# Allegro board 6089-119-RevB_08.brd (continued)
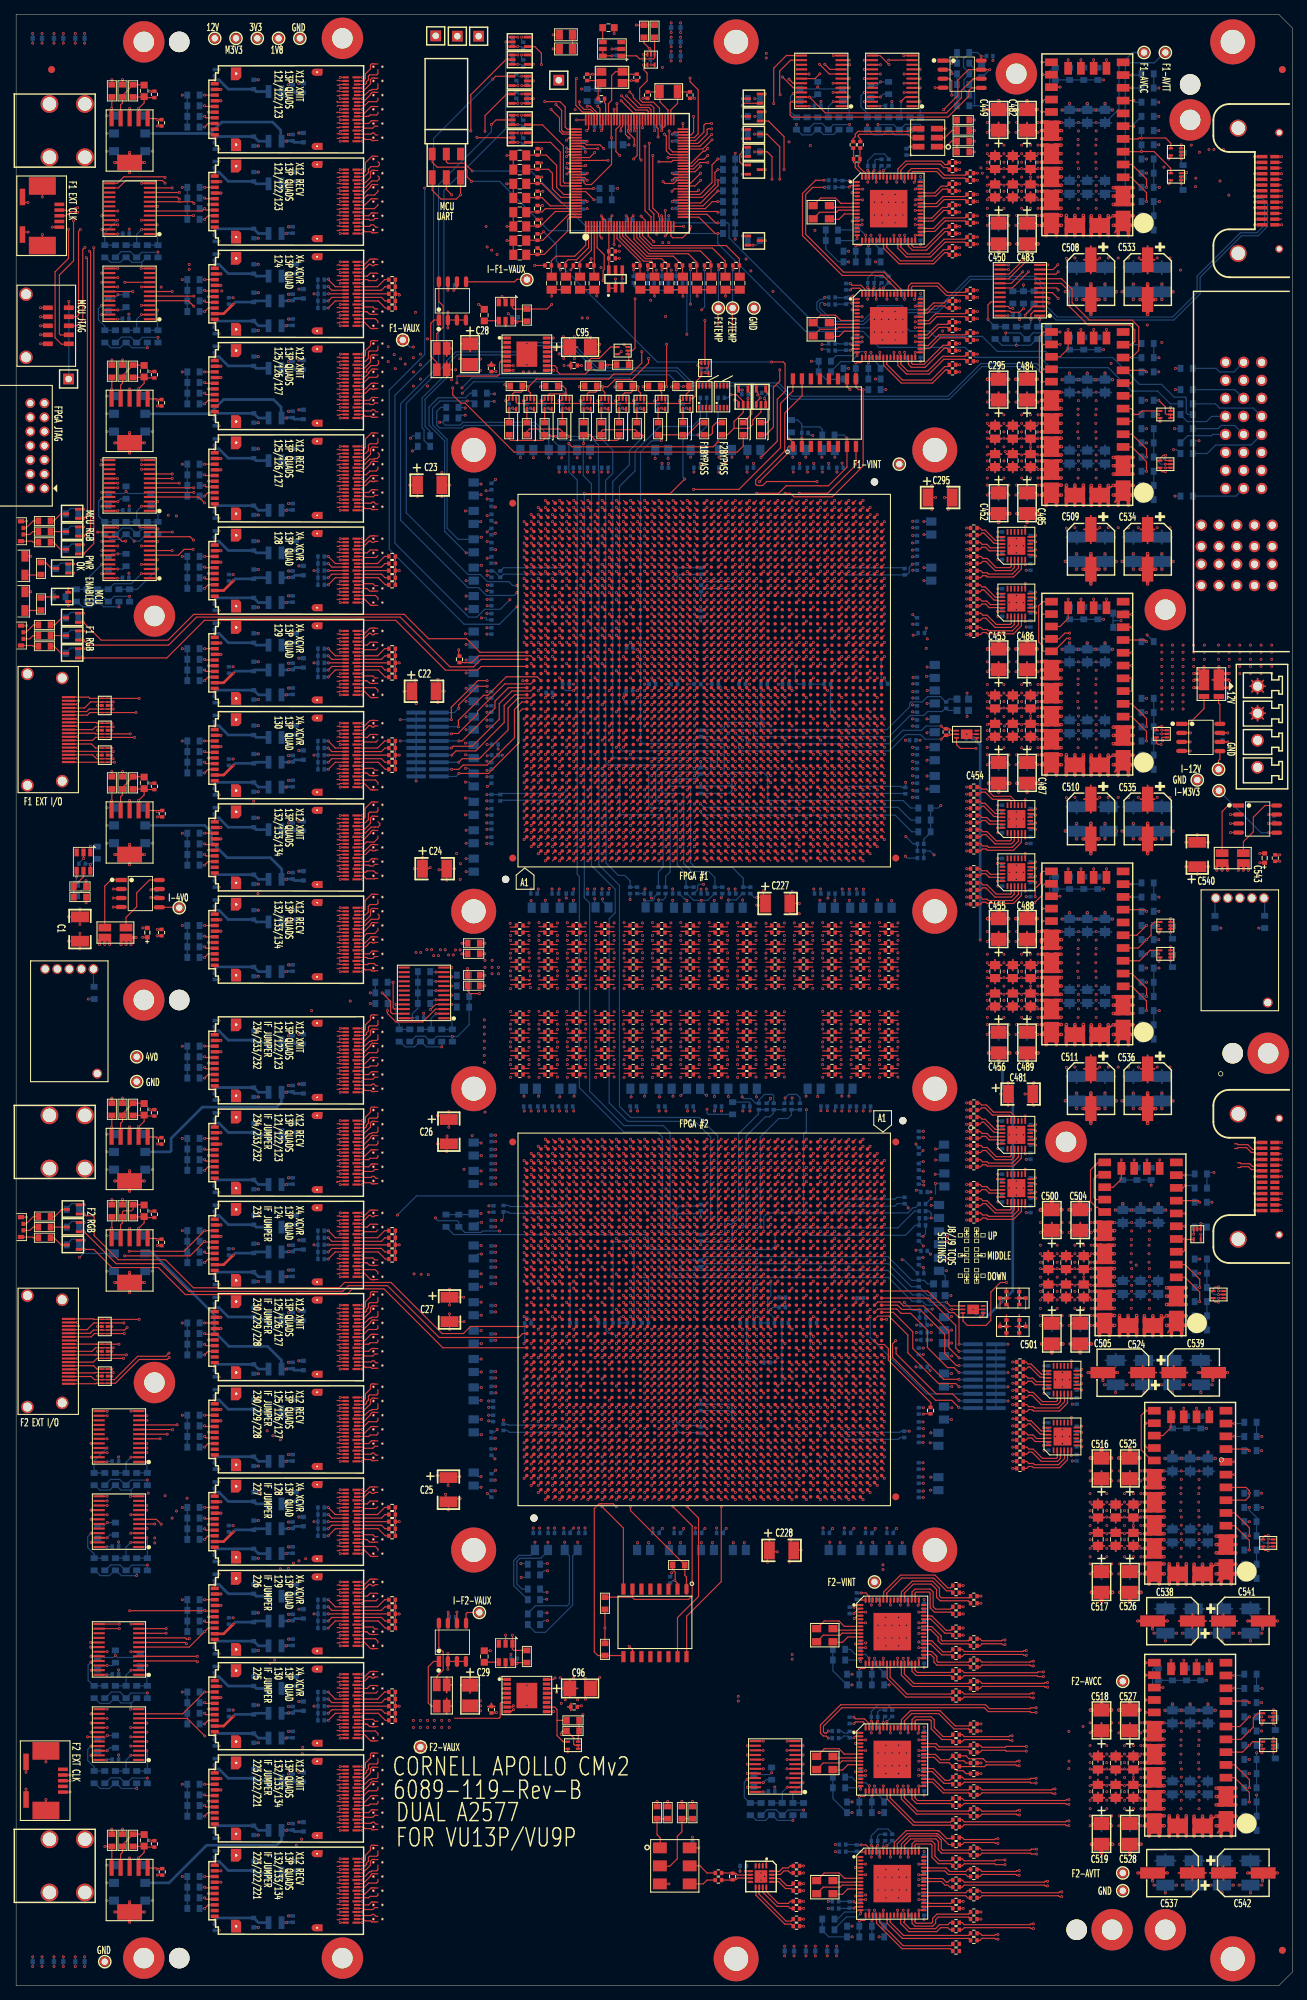
[diagram p0: board, top side]
## Routing (per net, layer and track width the routed paths; a pad name or vN(x,y) marks a point on that pad's centre or on a via; arc(x,y) is an arc through that point) (continued)
NF2_FF3_RECV7: length 99.8
  TOP w0.165: U43.B8 45.65,14.4 45.58,14.47 45.25,14.47 ; U77.E51 118.39,68.51
  SIG4 w0.083: 45.25,14.47 45.45,14.27 arc(45.48,14.25) 45.51,14.25 48.81,14.25 arc(49.07,14.3) 49.3,14.45 arc(49.41,14.52) 49.54,14.55 64.64,14.55 arc(65.62,14.74) 66.45,15.3 99.95,48.8 99.95,48.9 99.95,48.9 99.95,49 100.18,49.23 100.29,49.23 100.39,49.23 100.62,49.47 100.62,49.57 100.62,49.57 100.62,49.67 100.85,49.9 100.96,49.9 101.06,49.9 101.29,50.14 101.29,50.24 101.29,50.34 101.52,50.57 101.63,50.57 101.73,50.57 101.96,50.81 101.96,50.91 101.96,51.01 102.19,51.24 102.3,51.24 102.4,51.24 102.63,51.48 102.63,51.58 102.63,51.68 102.86,51.91 102.97,51.91 102.97,51.91 103.07,51.91 118.06,66.91 arc(118.59,67.72) 118.79,68.67 arc(118.73,68.83) 118.57,68.9 arc(118.55,68.91) 118.53,68.91 arc(118.49,68.91) 118.45,68.89 arc(118.4,68.82) 118.39,68.74 118.39,68.51
NF2_FF3_RECV8: length 96.3
  TOP w0.165: U77.F49 117.39,70.51 ; 51,17.78 50.57,17.78 50.54,17.81 50.19,17.81 49.95,17.57 49.95,17.23 49.95,17.23 49.95,16.99 48.86,15.9 U43.A5 48.05,15.9
  SIG3 w0.083: 117.39,70.51 117.39,70.82 arc(117.42,70.88) 117.47,70.9 117.56,70.9 arc(117.72,70.84) 117.79,70.67 117.79,68.46 arc(117.7,68.02) 117.46,67.65 68.9,19.09 arc(67.14,17.92) 65.06,17.5 60.75,17.5 60.61,17.65 60.28,17.65 60.13,17.5 59.8,17.5 59.65,17.65 59.32,17.65 59.18,17.5 58.85,17.5 58.7,17.65 58.37,17.65 58.23,17.5 57.9,17.5 57.75,17.65 57.42,17.65 57.28,17.5 56.95,17.5 56.8,17.65 56.47,17.65 56.33,17.5 52.17,17.5 arc(52.14,17.51) 52.11,17.53 52.11,17.54 arc(52.08,17.55) 52.05,17.56 52,17.56 51.88,17.68 arc(51.77,17.76) 51.64,17.78 51,17.78
NF2_FF3_RECV9: length 97.5
  TOP w0.165: 45.25,15.97 45.58,15.97 45.65,15.9 U43.B5 ; U77.G51 116.39,68.51
  SIG4 w0.083: 116.39,68.51 116.39,68.82 arc(116.42,68.88) 116.47,68.9 116.56,68.9 arc(116.72,68.84) 116.79,68.67 116.79,68.39 arc(116.53,67.09) 115.8,65.99 108,58.19 107.84,58.19 107.61,57.96 107.61,57.8 107.38,57.57 107.22,57.57 106.99,57.34 106.99,57.18 106.75,56.95 106.6,56.95 106.37,56.72 106.37,56.56 106.13,56.33 105.98,56.33 105.75,56.1 105.75,55.94 105.51,55.71 105.36,55.71 105.13,55.48 105.13,55.32 104.89,55.09 104.74,55.09 104.51,54.86 104.51,54.7 104.27,54.47 104.12,54.47 103.89,54.24 103.89,54.08 66.99,17.18 arc(66.23,16.68) 65.34,16.5 50.19,16.5 arc(49.74,16.41) 49.35,16.15 arc(48.9,15.85) 48.37,15.75 45.51,15.75 arc(45.48,15.75) 45.45,15.77 45.25,15.97
NF2_FF3_RECV10: length 94.4
  TOP w0.165: U43.A2 48.66,17.4 48.66,17.4 48.91,17.4 49.24,17.72 49.24,18.39 49.95,19.1 49.95,19.65 50.12,19.81 50.54,19.81 50.57,19.78 51,19.78 ; U77.H49 115.39,70.51
  SIG3 w0.083: 51,19.78 51.64,19.78 arc(51.77,19.76) 51.88,19.68 52,19.56 52.05,19.56 arc(52.08,19.55) 52.11,19.54 52.11,19.53 arc(52.14,19.51) 52.17,19.5 56.16,19.5 56.31,19.65 56.64,19.65 56.78,19.5 57.11,19.5 57.26,19.65 57.59,19.65 57.73,19.5 58.06,19.5 58.21,19.65 58.54,19.65 58.69,19.5 59.02,19.5 59.16,19.65 59.49,19.65 59.64,19.5 59.97,19.5 60.11,19.65 60.44,19.65 60.59,19.5 66.06,19.5 arc(67.68,19.83) 69.04,20.74 115.22,66.92 arc(115.64,67.55) 115.79,68.29 115.79,70.67 arc(115.72,70.84) 115.56,70.9 115.47,70.9 arc(115.42,70.88) 115.39,70.82 115.39,70.51
NF2_FF3_RECV11: length 95.1
  TOP w0.165: U77.J51 114.39,68.51 ; U43.B2 45.65,17.4 45.58,17.47 45.25,17.47
  SIG4 w0.083: 114.39,68.51 114.39,68.82 arc(114.42,68.88) 114.47,68.9 114.56,68.9 arc(114.72,68.84) 114.79,68.67 114.79,68.21 114.8,68.2 114.8,68.18 arc(114.53,66.81) 113.75,65.65 102.87,54.77 102.62,54.77 102.39,54.54 102.39,54.28 102.15,54.05 101.9,54.05 101.67,53.82 101.67,53.56 101.43,53.33 101.18,53.33 100.95,53.1 100.95,52.84 100.71,52.61 100.46,52.61 100.23,52.38 100.23,52.12 99.99,51.89 99.74,51.89 99.5,51.66 99.5,51.4 67.02,18.92 arc(66.45,18.53) 65.77,18.4 51.8,18.4 50.69,18.4 arc(50.1,18.28) 49.6,17.95 arc(48.82,17.43) 47.9,17.25 45.51,17.25 arc(45.48,17.25) 45.45,17.27 45.25,17.47
NF2_FF3_XMIT0: length 120.6
  TOP w0.165: U42.B17 45.65,22.9 45.58,22.97 45.25,22.97 ; U77.C38 120.39,81.51
  SIG1 w0.083: 45.25,22.97 45.45,22.77 arc(45.48,22.75) 45.51,22.75 48.35,22.75 arc(49,22.62) 49.55,22.25 49.68,22.12 arc(50.31,21.7) 51.05,21.55 59.17,21.55 59.32,21.7 59.65,21.7 59.8,21.55 60.13,21.55 60.28,21.7 60.61,21.7 60.76,21.55 61.09,21.55 61.24,21.7 61.57,21.7 61.72,21.55 62.05,21.55 62.2,21.7 62.53,21.7 62.68,21.55 63.01,21.55 63.16,21.7 63.49,21.7 63.64,21.55 63.97,21.55 64.12,21.7 64.45,21.7 64.6,21.55 79.28,21.55 arc(80.27,21.75) 81.11,22.31 124.05,65.24 arc(124.97,66.62) 125.29,68.25 125.29,78.94 arc(125.13,79.75) 124.68,80.43 123.61,81.49 arc(123.16,81.8) 122.62,81.9 120.47,81.9 arc(120.42,81.88) 120.39,81.82 120.39,81.51
NF2_FF3_XMIT1: length 111.2
  TOP w0.165: 51,22.78 50.72,22.78 50.44,23.06 50.21,23.06 50.05,22.9 U42.A17 ; U77.A38 122.39,81.51
  SIG2 w0.083: 122.39,81.51 122.39,81.64 arc(122.48,81.86) 122.7,81.95 123.44,81.95 arc(123.72,81.83) 123.84,81.55 123.84,68.91 arc(123.68,68.1) 123.23,67.42 80.08,24.28 arc(78.12,22.97) 75.8,22.5 61.76,22.5 61.61,22.65 61.28,22.65 61.14,22.5 60.81,22.5 60.66,22.65 60.33,22.65 60.19,22.5 59.86,22.5 59.71,22.65 59.38,22.65 59.24,22.5 58.91,22.5 58.76,22.65 58.43,22.65 58.29,22.5 57.96,22.5 57.81,22.65 57.48,22.65 57.34,22.5 52.17,22.5 arc(52.14,22.51) 52.11,22.53 52.11,22.54 arc(52.08,22.55) 52.05,22.56 52,22.56 51.88,22.68 arc(51.77,22.76) 51.64,22.78 51,22.78
NF2_FF3_XMIT2: length 114.8
  TOP w0.165: 45.25,24.47 45.58,24.47 45.65,24.4 U42.B14 ; U77.B40 121.39,79.51
  SIG1 w0.083: 121.39,79.51 121.39,79.82 arc(121.42,79.88) 121.47,79.9 122.32,79.9 arc(122.86,79.8) 123.31,79.49 123.51,79.29 arc(124.09,78.43) 124.29,77.41 124.29,68.55 arc(124,67.11) 123.18,65.88 81.47,24.16 arc(80.73,23.67) 79.87,23.5 64.36,23.5 64.21,23.65 63.88,23.65 63.73,23.5 63.4,23.5 63.25,23.65 62.92,23.65 62.77,23.5 62.44,23.5 62.29,23.65 61.96,23.65 61.81,23.5 61.48,23.5 61.33,23.65 61,23.65 60.85,23.5 60.52,23.5 60.37,23.65 60.04,23.65 59.89,23.5 59.56,23.5 59.41,23.65 59.08,23.65 58.93,23.5 50.39,23.5 arc(49.8,23.62) 49.3,23.95 arc(48.97,24.17) 48.59,24.25 45.51,24.25 arc(45.48,24.25) 45.45,24.27 45.25,24.47
NF2_FF3_XMIT3: length 104.2
  TOP w0.165: U77.A42 122.39,77.51 ; 51,24.78 50.57,24.78 50.54,24.81 50.19,24.81 50.16,24.78 50.08,24.78 49.7,24.4 U42.A14
  SIG2 w0.083: 51,24.78 51.64,24.78 arc(51.77,24.76) 51.88,24.68 52,24.56 52.05,24.56 arc(52.08,24.55) 52.11,24.54 52.11,24.53 arc(52.14,24.51) 52.17,24.5 57.2,24.5 57.34,24.65 57.67,24.65 57.82,24.5 58.15,24.5 58.29,24.65 58.62,24.65 58.77,24.5 59.1,24.5 59.24,24.65 59.57,24.65 59.72,24.5 60.05,24.5 60.19,24.65 60.52,24.65 60.67,24.5 61,24.5 61.14,24.65 61.47,24.65 61.62,24.5 61.95,24.5 62.09,24.65 62.42,24.65 62.57,24.5 75.79,24.5 arc(78.58,25.06) 80.94,26.64 122.08,67.78 arc(122.61,68.56) 122.79,69.49 122.79,77.67 arc(122.72,77.84) 122.56,77.9 122.47,77.9 arc(122.42,77.88) 122.39,77.82 122.39,77.51
NF2_FF3_XMIT4: length 113.1
  TOP w0.165: U77.E42 118.39,77.51 ; 45.25,25.97 45.58,25.97 45.65,25.9 U42.B11
  SIG1 w0.083: 118.39,77.51 118.39,77.82 arc(118.42,77.88) 118.47,77.9 122.6,77.9 arc(122.83,77.86) 123.03,77.73 123.14,77.61 arc(123.25,77.45) 123.29,77.25 123.29,69.34 arc(122.95,67.63) 121.98,66.17 82.15,26.34 arc(81.16,25.68) 79.99,25.45 63.47,25.45 63.32,25.6 62.99,25.6 62.84,25.45 62.51,25.45 62.36,25.6 62.03,25.6 61.88,25.45 61.55,25.45 61.4,25.6 61.07,25.6 60.92,25.45 60.59,25.45 60.44,25.6 60.11,25.6 59.96,25.45 59.63,25.45 59.48,25.6 59.15,25.6 59,25.45 49.61,25.45 arc(49.42,25.49) 49.25,25.6 arc(49.09,25.71) 48.9,25.75 45.51,25.75 arc(45.48,25.75) 45.45,25.77 45.25,25.97
NF2_FF3_XMIT5: length 101.7
  TOP w0.165: 51,26.78 50.57,26.78 50.54,26.81 50.19,26.81 50.16,26.78 50.03,26.78 49.15,25.9 U42.A11 48.05,25.9 ; U77.C42 120.39,77.51
  SIG2 w0.083: 120.39,77.51 120.39,77.82 arc(120.42,77.88) 120.47,77.9 120.56,77.9 arc(120.72,77.84) 120.79,77.67 120.79,69.09 arc(120.59,68.07) 120.01,67.21 81.77,28.96 arc(79.04,27.14) 75.83,26.5 61.24,26.5 61.1,26.65 60.77,26.65 60.62,26.5 60.29,26.5 60.15,26.65 59.82,26.65 59.67,26.5 59.34,26.5 59.2,26.65 58.87,26.65 58.72,26.5 58.39,26.5 58.25,26.65 57.92,26.65 57.77,26.5 57.44,26.5 57.3,26.65 56.97,26.65 56.82,26.5 52.17,26.5 arc(52.14,26.51) 52.11,26.53 52.11,26.54 arc(52.08,26.55) 52.05,26.56 52,26.56 51.88,26.68 arc(51.77,26.76) 51.64,26.78 51,26.78
NF2_FF3_XMIT6: length 104.6
  TOP w0.165: U77.B44 121.39,75.51 ; 45.25,27.47 45.58,27.47 45.65,27.4 U42.B8
  SIG1 w0.083: 121.39,75.51 121.39,75.82 arc(121.42,75.88) 121.47,75.9 121.56,75.9 arc(121.72,75.84) 121.79,75.67 121.79,68.79 arc(121.55,67.59) 120.87,66.57 82.64,28.34 arc(81.76,27.76) 80.73,27.55 64.03,27.55 63.88,27.7 63.55,27.7 63.4,27.55 63.07,27.55 62.92,27.7 62.59,27.7 62.44,27.55 62.11,27.55 61.96,27.7 61.63,27.7 61.48,27.55 61.15,27.55 61,27.7 60.67,27.7 60.52,27.55 60.19,27.55 60.04,27.7 59.71,27.7 59.56,27.55 59.23,27.55 59.08,27.7 58.75,27.7 58.6,27.55 49.54,27.55 arc(49.41,27.52) 49.3,27.45 arc(49.07,27.3) 48.81,27.25 45.51,27.25 arc(45.48,27.25) 45.45,27.27 45.25,27.47
NF2_FF3_XMIT7: length 98
  TOP w0.165: U77.D44 119.39,75.51 ; 51,28.78 50.57,28.78 50.54,28.81 50.19,28.81 49.95,28.57 49.95,28.45 48.9,27.4 U42.A8 48.05,27.4
  SIG2 w0.083: 119.39,75.51 119.39,75.82 arc(119.42,75.88) 119.47,75.9 119.56,75.9 arc(119.72,75.84) 119.79,75.67 119.79,68.53 arc(119.77,68.43) 119.71,68.34 82.17,30.8 arc(79.63,29.1) 76.64,28.5 62.04,28.5 61.9,28.65 61.57,28.65 61.42,28.5 61.09,28.5 60.95,28.65 60.62,28.65 60.47,28.5 60.14,28.5 59.99,28.65 59.66,28.65 59.52,28.5 59.19,28.5 59.04,28.65 58.71,28.65 58.57,28.5 58.24,28.5 58.09,28.65 57.76,28.65 57.62,28.5 52.17,28.5 arc(52.14,28.51) 52.11,28.53 52.11,28.54 arc(52.08,28.55) 52.05,28.56 52,28.56 51.88,28.68 arc(51.77,28.76) 51.64,28.78 51,28.78
NF2_FF3_XMIT8: length 100.3
  TOP w0.165: U42.B5 45.65,28.9 45.58,28.97 45.25,28.97 ; U77.F44 117.39,75.51
  SIG1 w0.083: 45.25,28.97 45.45,28.77 arc(45.48,28.75) 45.51,28.75 48.37,28.75 arc(48.9,28.85) 49.35,29.15 arc(49.74,29.41) 50.2,29.5 59.1,29.5 59.3,29.7 59.63,29.7 59.83,29.5 60.16,29.5 60.36,29.7 60.69,29.7 60.89,29.5 61.22,29.5 61.42,29.7 61.75,29.7 61.95,29.5 62.28,29.5 62.48,29.7 62.81,29.7 63.01,29.5 79.63,29.5 arc(80.56,29.68) 81.35,30.21 116.76,65.62 arc(117.52,66.76) 117.79,68.11 117.79,75.67 arc(117.72,75.84) 117.56,75.9 117.47,75.9 arc(117.42,75.88) 117.39,75.82 117.39,75.51
NF2_FF3_XMIT9: length 93.5
  TOP w0.165: U77.G46 116.39,73.51 ; 48.05,28.9 U42.A5 48.86,28.9 49.95,29.99 49.95,30.23 49.95,30.23 49.95,30.57 50.19,30.81 50.54,30.81 50.57,30.78 51,30.78
  SIG2 w0.083: 116.39,73.51 116.39,73.82 arc(116.42,73.88) 116.47,73.9 116.56,73.9 arc(116.72,73.84) 116.79,73.67 116.79,67.86 arc(116.63,67.05) 116.18,66.37 82.01,32.21 arc(80.12,30.95) 77.9,30.5 61.5,30.5 61.36,30.65 61.03,30.65 60.88,30.5 60.55,30.5 60.41,30.65 60.08,30.65 59.93,30.5 59.6,30.5 59.46,30.65 59.13,30.65 58.98,30.5 58.65,30.5 58.5,30.65 58.17,30.65 58.03,30.5 57.7,30.5 57.55,30.65 57.22,30.65 57.08,30.5 52.17,30.5 arc(52.14,30.51) 52.11,30.53 52.11,30.54 arc(52.08,30.55) 52.05,30.56 52,30.56 51.88,30.68 arc(51.77,30.76) 51.64,30.78 51,30.78
NF2_FF3_XMIT10: length 97.2
  TOP w0.165: U77.H44 115.39,75.51 ; 45.25,30.47 45.58,30.47 45.65,30.4 U42.B2
  SIG1 w0.083: 45.25,30.47 45.45,30.27 arc(45.48,30.25) 45.51,30.25 47.9,30.25 arc(48.82,30.43) 49.6,30.95 arc(50.1,31.28) 50.69,31.4 59.17,31.4 59.32,31.55 59.65,31.55 59.8,31.4 60.13,31.4 60.28,31.55 60.61,31.55 60.76,31.4 61.09,31.4 61.24,31.55 61.57,31.55 61.72,31.4 62.05,31.4 62.2,31.55 62.53,31.55 62.68,31.4 63.01,31.4 63.16,31.55 63.49,31.55 63.64,31.4 63.97,31.4 64.12,31.55 64.45,31.55 64.6,31.4 78.8,31.4 arc(79.45,31.53) 79.99,31.89 115.21,67.11 arc(115.64,67.75) 115.79,68.51 115.79,75.67 arc(115.72,75.84) 115.56,75.9 115.47,75.9 arc(115.42,75.88) 115.39,75.82 115.39,75.51
NF2_FF3_XMIT11: length 91.6
  TOP w0.165: U77.J46 114.39,73.51 ; 51,32.78 50.57,32.78 50.54,32.81 50.12,32.81 49.95,32.65 49.95,32.1 49.24,31.39 49.24,30.72 48.91,30.4 48.66,30.4 48.66,30.4 U42.A2
  SIG2 w0.083: 114.39,73.51 114.39,73.82 arc(114.42,73.88) 114.47,73.9 114.56,73.9 arc(114.72,73.84) 114.79,73.67 114.79,67.82 arc(114.55,66.59) 113.85,65.54 81.79,33.49 arc(80.7,32.76) 79.42,32.5 66.71,32.5 66.67,32.55 66.52,32.7 66.39,32.7 66.19,32.5 65.86,32.5 65.77,32.6 65.44,32.6 65.34,32.5 65.01,32.5 64.92,32.6 64.59,32.6 64.49,32.5 64.16,32.5 64.07,32.6 63.74,32.6 63.64,32.5 63.31,32.5 63.22,32.6 62.89,32.6 62.79,32.5 62.46,32.5 62.37,32.6 62.04,32.6 61.94,32.5 61.61,32.5 61.52,32.6 61.19,32.6 61.09,32.5 52.17,32.5 arc(52.14,32.51) 52.11,32.53 52.11,32.54 arc(52.08,32.55) 52.05,32.56 52,32.56 51.88,32.68 arc(51.77,32.76) 51.64,32.78 51,32.78
NF2_FF4_RECV0: length 76.1
  TOP w0.165: 45.25,100.31 45.56,100.31 45.65,100.4 U36.B18 ; U77.BA51 81.61,68.51
  SIG4 w0.083: 81.61,68.51 81.61,68.82 arc(81.58,68.88) 81.53,68.9 81.44,68.9 arc(81.17,69.02) 81.05,69.3 81.05,69.57 arc(81.1,69.83) 81.25,70.05 arc(81.36,70.12) 81.49,70.15 83.74,70.15 arc(83.93,70.11) 84.1,70 arc(84.17,69.89) 84.2,69.76 84.2,67.45 arc(83.95,66.2) 83.24,65.14 82.82,64.72 arc(81.91,64.11) 80.84,63.9 72.03,63.9 arc(71.08,64.09) 70.28,64.62 56.06,78.84 arc(55.65,79.46) 55.5,80.19 55.5,96.7 arc(55.28,97.8) 54.66,98.73 53.43,99.96 arc(52.46,100.61) 51.31,100.84 49.69,100.84 arc(49.64,100.83) 49.6,100.8 arc(49.3,100.6) 48.96,100.54 45.51,100.54 arc(45.48,100.53) 45.45,100.51 45.25,100.31
NF2_FF4_RECV1: length 77.7
  TOP w0.165: U36.A18 49.1,100.4 49.98,99.52 50.16,99.52 50.19,99.49 50.54,99.49 50.57,99.52 51,99.52 ; U77.AY49 82.61,70.51
  SIG3 w0.083: 51,99.52 51.64,99.52 arc(51.77,99.54) 51.88,99.62 52,99.74 52.05,99.74 arc(52.08,99.75) 52.11,99.76 52.11,99.77 arc(52.14,99.79) 52.17,99.8 52.44,99.8 arc(52.54,99.77) 52.63,99.71 58.58,93.77 arc(59.26,92.75) 59.5,91.54 59.5,73.31 arc(59.66,72.52) 60.1,71.85 69.08,62.87 arc(70.16,62.15) 71.43,61.9 79.94,61.9 arc(80.46,62) 80.9,62.3 84.61,66.01 arc(85.09,66.73) 85.26,67.57 85.26,71.7 arc(85.12,72.02) 84.8,72.16 82.5,72.16 arc(82.14,72.01) 81.99,71.65 81.99,71.36 arc(82.12,71.04) 82.44,70.9 82.53,70.9 arc(82.58,70.88) 82.61,70.82 82.61,70.51
NF2_FF4_RECV2: length 69.9
  TOP w0.165: 45.25,101.81 45.56,101.81 45.65,101.9 U36.B15 ; U77.AW51 83.61,68.51
  SIG4 w0.083: 45.25,101.81 45.45,102.01 arc(45.48,102.03) 45.51,102.04 48.96,102.04 arc(49.3,102.1) 49.6,102.3 arc(50.26,102.74) 51.04,102.9 arc(52.43,102.62) 53.62,101.83 55.53,99.92 arc(56.25,98.85) 56.5,97.57 56.5,80.79 arc(56.66,79.97) 57.13,79.27 70.94,65.46 arc(71.56,65.05) 72.29,64.9 80.32,64.9 arc(81.18,65.07) 81.91,65.56 82.73,66.38 arc(83.08,66.91) 83.21,67.54 83.21,68.67 arc(83.28,68.84) 83.44,68.9 83.53,68.9 arc(83.58,68.88) 83.61,68.82 83.61,68.51
NF2_FF4_RECV3: length 71
  TOP w0.165: U36.A15 49.26,101.9 49.3,101.86 49.49,101.86 49.83,101.52 50.16,101.52 50.19,101.49 50.54,101.49 50.57,101.52 51,101.52 ; U77.AV49 84.61,70.51
  SIG3 w0.083: 84.61,70.51 84.61,70.82 arc(84.58,70.88) 84.53,70.9 84.44,70.9 arc(84.28,70.84) 84.21,70.67 84.21,67.83 arc(84.08,67.16) 83.7,66.6 80.49,63.39 arc(79.95,63.03) 79.3,62.9 71.88,62.9 arc(70.61,63.15) 69.53,63.87 61.27,72.14 arc(60.7,72.99) 60.5,73.99 60.5,92.35 arc(60.22,93.73) 59.44,94.9 52.7,101.65 arc(52.53,101.76) 52.34,101.8 52.17,101.8 arc(52.14,101.79) 52.11,101.77 52.11,101.76 arc(52.08,101.75) 52.05,101.74 52,101.74 51.88,101.62 arc(51.77,101.54) 51.64,101.52 51,101.52
NF2_FF4_XMIT0: length 67.3
  TOP w0.165: U36.A2 49,108.4 49.88,109.28 50.16,109.28 50.19,109.31 50.54,109.31 50.57,109.28 51,109.28 ; U77.BA46 81.61,73.51
  SIG2 w0.083: 81.61,73.51 81.61,73.82 arc(81.63,73.88) 81.69,73.9 81.77,73.9 arc(81.96,73.83) 82.04,73.64 82.04,71.45 arc(81.96,71.24) 81.75,71.16 69.4,71.16 arc(68.61,71.32) 67.93,71.77 62.42,77.28 arc(61.89,78.08) 61.7,79.03 61.7,98.9 arc(61.51,99.86) 60.97,100.67 58.28,103.36 58.28,103.62 58.05,103.85 57.79,103.85 57.56,104.08 57.56,104.34 57.33,104.57 57.07,104.57 56.83,104.81 56.83,105.07 56.6,105.3 56.34,105.3 56.11,105.53 56.11,105.79 55.88,106.02 55.62,106.02 55.38,106.26 55.38,106.52 55.15,106.75 54.89,106.75 52.94,108.7 arc(52.6,108.93) 52.2,109 52.17,109 arc(52.14,109.01) 52.11,109.03 52.11,109.04 arc(52.08,109.05) 52.05,109.06 52,109.06 51.88,109.18 arc(51.77,109.26) 51.64,109.28 51,109.28
NF2_FF4_XMIT1: length 75.5
  TOP w0.165: U36.B2 45.65,108.4 45.58,108.47 45.25,108.47 ; U77.AY44 82.61,75.51
  SIG1 w0.083: 45.25,108.47 45.45,108.27 arc(45.48,108.25) 45.51,108.25 49.25,108.25 arc(49.44,108.21) 49.6,108.1 arc(49.77,107.99) 49.96,107.95 51.02,107.95 arc(53.49,107.46) 55.59,106.06 59.65,102 arc(60.43,100.82) 60.71,99.44 60.71,89.56 60.9,89.37 60.9,89.04 60.71,88.85 60.71,88.52 60.9,88.33 60.9,88 60.71,87.81 60.71,87.48 60.9,87.29 60.9,86.96 60.71,86.77 60.71,86.44 60.9,86.24 60.9,85.91 60.71,85.72 60.71,78.63 arc(60.92,77.57) 61.52,76.68 67.24,70.96 arc(68.18,70.33) 69.29,70.11 82.75,70.11 arc(82.96,70.19) 83.04,70.4 83.04,75.64 arc(82.96,75.83) 82.77,75.9 82.69,75.9 arc(82.63,75.88) 82.61,75.82 82.61,75.51
NF2_FF4_XMIT2: length 73
  TOP w0.165: U36.A5 49.5,106.9 49.91,107.31 50.75,107.31 50.78,107.28 51,107.28 ; U77.AW46 83.61,73.51
  SIG2 w0.083: 51,107.28 51.64,107.28 arc(51.77,107.26) 51.88,107.18 52,107.06 52.05,107.06 arc(52.08,107.05) 52.11,107.04 52.11,107.03 arc(52.14,107.01) 52.17,107 52.34,107 arc(52.71,106.93) 53.01,106.73 54.91,104.83 55.12,104.83 55.35,104.6 55.35,104.39 55.59,104.16 55.79,104.16 56.03,103.92 56.03,103.71 56.26,103.48 56.47,103.48 56.7,103.25 56.7,103.04 56.94,102.81 57.14,102.81 57.38,102.57 57.38,102.36 57.61,102.13 57.82,102.13 58.05,101.9 58.05,101.69 59.8,99.94 arc(60.47,98.94) 60.7,97.77 60.7,78.43 arc(60.87,77.57) 61.36,76.84 70.38,67.82 arc(71.39,67.15) 72.58,66.91 82,66.91 arc(82.69,67.05) 83.28,67.44 83.68,67.83 arc(83.95,68.24) 84.04,68.72 84.04,73.64 arc(83.96,73.83) 83.77,73.9 83.69,73.9 arc(83.63,73.88) 83.61,73.82 83.61,73.51
NF2_FF4_XMIT3: length 78
  TOP w0.165: U36.B5 45.65,106.9 45.58,106.97 45.25,106.97 ; U77.AV44 84.61,75.51
  SIG1 w0.083: 84.61,75.51 84.61,75.82 arc(84.63,75.88) 84.69,75.9 84.77,75.9 arc(84.96,75.83) 85.04,75.64 85.04,69.5 arc(84.94,69.26) 84.7,69.16 68.41,69.16 arc(67.6,69.32) 66.92,69.78 60.35,76.34 arc(59.88,77.06) 59.71,77.9 59.71,81.69 59.9,81.88 59.9,82.21 59.71,82.4 59.71,82.73 59.9,82.92 59.9,83.25 59.71,83.44 59.71,83.77 59.9,83.96 59.9,84.29 59.71,84.48 59.71,84.81 59.9,85 59.9,85.33 59.71,85.52 59.71,98.31 arc(59.39,99.91) 58.49,101.26 54.68,105.07 arc(53.65,105.76) 52.43,106 50.82,106 arc(50.29,106.1) 49.85,106.4 arc(49.47,106.66) 49.02,106.75 45.51,106.75 arc(45.48,106.75) 45.45,106.77 45.25,106.97
NF2_FF5_RECV0: length 64.4
  TOP w0.165: U39.B18 45.65,61.4 45.56,61.31 45.25,61.31 ; U77.AE51 98.39,68.51
  SIG4 w0.083: 45.25,61.31 45.45,61.51 arc(45.48,61.53) 45.51,61.54 48.96,61.54 arc(49.3,61.6) 49.6,61.8 arc(49.64,61.83) 49.69,61.84 54.9,61.84 arc(56.16,61.59) 57.23,60.88 61.38,56.73 arc(62.29,56.12) 63.37,55.9 86.84,55.9 arc(87.91,56.11) 88.82,56.72 96.45,64.35 arc(97.57,66.02) 97.96,67.99 97.96,68.64 arc(98.04,68.83) 98.23,68.9 98.31,68.9 arc(98.37,68.88) 98.39,68.82 98.39,68.51
NF2_FF5_RECV1: length 63.5
  TOP w0.165: 51,60.52 50.57,60.52 50.54,60.49 50.19,60.49 50.16,60.52 49.98,60.52 49.1,61.4 U39.A18 ; U77.AD49 99.39,70.51
  SIG3 w0.083: 51,60.52 51.64,60.52 arc(51.77,60.54) 51.88,60.62 52,60.74 52.05,60.74 arc(52.08,60.75) 52.11,60.76 52.11,60.77 arc(52.14,60.79) 52.17,60.8 52.52,60.8 arc(53.25,60.65) 53.86,60.24 57.55,56.55 arc(59.38,55.33) 61.54,54.9 74.61,54.9 74.62,54.9 75.08,54.9 75.08,54.9 86.21,54.9 arc(86.94,55.05) 87.56,55.46 98.22,66.12 arc(98.77,66.94) 98.96,67.91 98.96,70.64 arc(99.04,70.83) 99.23,70.9 99.31,70.9 arc(99.37,70.88) 99.39,70.82 99.39,70.51
NF2_FF5_RECV2: length 68
  TOP w0.165: U77.AC51 100.39,68.51 ; U39.B15 45.65,62.9 45.56,62.81 45.25,62.81
  SIG4 w0.083: 45.25,62.81 45.45,63.01 arc(45.48,63.03) 45.51,63.04 48.96,63.04 arc(49.13,63.05) 49.3,63.1 arc(49.46,63.19) 49.6,63.3 arc(50.26,63.74) 51.04,63.9 54.25,63.9 arc(55.87,63.58) 57.24,62.66 62.24,57.66 arc(63.08,57.1) 64.08,56.9 86.11,56.9 arc(87.39,57.16) 88.49,57.89 95.84,65.24 arc(96.7,66.53) 97,68.04 97,69.73 arc(97.01,69.79) 97.05,69.85 arc(97.16,69.92) 97.29,69.95 99.5,69.95 arc(99.71,69.86) 99.8,69.65 99.8,69.33 arc(99.92,69.03) 100.23,68.9 100.31,68.9 arc(100.37,68.88) 100.39,68.82 100.39,68.51
NF2_FF5_RECV3: length 66.8
  TOP w0.165: U39.A15 49.26,62.9 49.3,62.86 49.49,62.86 49.83,62.52 50.16,62.52 50.19,62.49 50.54,62.49 50.57,62.52 51,62.52 ; U77.AB49 101.39,70.51
  SIG3 w0.083: 101.39,70.51 101.39,70.82 arc(101.37,70.88) 101.31,70.9 101.23,70.9 arc(100.92,71.03) 100.8,71.33 100.8,71.65 arc(100.71,71.86) 100.5,71.95 98.29,71.95 arc(98.16,71.92) 98.05,71.85 arc(98.01,71.79) 98,71.73 98,68.33 arc(97.83,67.47) 97.34,66.74 87.22,56.62 arc(86.42,56.09) 85.47,55.9 62.14,55.9 arc(60.07,56.31) 58.31,57.49 53.49,62.31 arc(52.95,62.67) 52.32,62.8 52.17,62.8 arc(52.14,62.79) 52.11,62.77 52.11,62.76 arc(52.08,62.75) 52.05,62.74 52,62.74 51.88,62.62 arc(51.77,62.54) 51.64,62.52 51,62.52
NF2_FF5_XMIT0: length 68.7
  TOP w0.165: 51,70.28 50.57,70.28 50.54,70.31 50.19,70.31 50.16,70.28 49.88,70.28 49,69.4 U39.A2 ; U77.AE46 98.39,73.51
  SIG2 w0.083: 51,70.28 51.64,70.28 arc(51.77,70.26) 51.88,70.18 52,70.06 52.05,70.06 arc(52.08,70.05) 52.11,70.04 52.11,70.03 arc(52.14,70.01) 52.17,70 52.35,70 arc(52.85,69.91) 53.28,69.62 53.99,68.91 54.24,68.91 54.47,68.68 54.47,68.43 54.71,68.19 54.96,68.19 55.19,67.96 55.19,67.71 55.42,67.48 55.67,67.48 55.91,67.24 55.91,66.99 56.14,66.76 56.39,66.76 56.63,66.52 56.63,66.4 56.62,66.28 59.32,63.58 arc(59.64,63.09) 59.76,62.52 59.76,62.51 arc(59.88,61.89) 60.23,61.37 62.95,58.65 arc(63.55,58.25) 64.26,58.11 88.25,58.11 arc(89.79,58.42) 91.09,59.29 98.08,66.28 arc(98.61,67.06) 98.79,67.99 98.79,73.67 arc(98.72,73.84) 98.56,73.9 98.47,73.9 arc(98.42,73.88) 98.39,73.82 98.39,73.51
NF2_FF5_XMIT1: length 74.7
  TOP w0.165: 45.25,69.47 45.58,69.47 45.65,69.4 U39.B2 ; U77.AD44 99.39,75.51
  SIG1 w0.083: 99.39,75.51 99.39,75.82 arc(99.42,75.88) 99.47,75.9 99.56,75.9 arc(99.72,75.84) 99.79,75.67 99.79,67.69 arc(99.57,66.58) 98.94,65.64 92.06,58.75 arc(91.34,58.28) 90.5,58.11 64.6,58.11 arc(63.56,58.32) 62.68,58.9 57.02,64.57 57.02,64.7 57.02,64.83 56.78,65.07 56.52,65.07 56.29,65.3 56.29,65.56 56.05,65.8 55.79,65.8 55.56,66.03 55.56,66.29 55.32,66.53 55.06,66.53 54.83,66.76 54.83,67.02 54.59,67.26 54.33,67.26 53.72,67.87 arc(52.52,68.67) 51.1,68.95 49.96,68.95 arc(49.77,68.99) 49.6,69.1 arc(49.44,69.21) 49.25,69.25 45.51,69.25 arc(45.48,69.25) 45.45,69.27 45.25,69.47
NF2_FF5_XMIT2: length 70.1
  TOP w0.165: U77.AC46 100.39,73.51 ; 51,68.28 50.78,68.28 50.75,68.31 49.91,68.31 49.5,67.9 U39.A5
  SIG2 w0.083: 100.39,73.51 100.39,73.82 arc(100.42,73.88) 100.47,73.9 100.56,73.9 arc(100.72,73.84) 100.79,73.67 100.79,68.73 arc(100.56,67.58) 99.91,66.61 91.43,58.12 arc(90.3,57.37) 88.98,57.11 64.42,57.11 arc(63.19,57.35) 62.15,58.05 59.12,61.08 arc(58.89,61.42) 58.81,61.83 58.81,62.02 arc(58.73,62.41) 58.51,62.74 57.17,64.08 57.17,64.2 57.17,64.33 56.94,64.56 56.69,64.56 56.46,64.79 56.46,64.92 56.46,65.04 56.22,65.28 55.97,65.28 55.74,65.51 55.74,65.64 55.74,65.76 55.51,65.99 55.26,65.99 55.02,66.23 55.02,66.35 55.02,66.48 54.79,66.71 54.54,66.71 53.7,67.55 arc(53.2,67.89) 52.6,68 52.17,68 arc(52.14,68.01) 52.11,68.03 52.11,68.04 arc(52.08,68.05) 52.05,68.06 52,68.06 51.88,68.18 arc(51.77,68.26) 51.64,68.28 51,68.28
NF2_FF5_XMIT3: length 76.6
  TOP w0.165: 45.25,67.97 45.58,67.97 45.65,67.9 U39.B5 ; U77.AB44 101.39,75.51
  SIG1 w0.083: 45.25,67.97 45.45,67.77 arc(45.48,67.75) 45.51,67.75 49.02,67.75 arc(49.47,67.66) 49.85,67.4 arc(50.29,67.1) 50.82,67 51.59,67 arc(53.07,66.7) 54.33,65.86 54.75,65.45 55.05,65.45 55.29,65.21 55.29,64.91 55.52,64.68 55.82,64.68 56.06,64.44 56.06,64.14 56.29,63.91 56.59,63.91 56.83,63.67 56.83,63.37 57.06,63.13 57.37,63.13 57.6,62.9 57.6,62.75 57.6,62.6 62.24,57.96 arc(63.18,57.33) 64.29,57.11 91,57.11 arc(91.84,57.28) 92.56,57.75 100.91,66.11 arc(101.56,67.08) 101.79,68.23 101.79,75.67 arc(101.72,75.84) 101.56,75.9 101.47,75.9 arc(101.42,75.88) 101.39,75.82 101.39,75.51
NF2_FF6_RECV0: length 68.7
  TOP w0.165: 45.25,48.31 45.56,48.31 45.65,48.4 U40.B18 ; U77.AA51 102.39,68.51
  SIG4 w0.083: 45.25,48.31 45.45,48.51 arc(45.48,48.53) 45.51,48.54 48.96,48.54 arc(49.3,48.6) 49.6,48.8 arc(49.64,48.83) 49.69,48.84 82.66,48.84 arc(83.84,49.08) 84.85,49.75 101.41,66.31 arc(101.82,66.92) 101.96,67.64 101.96,68.64 arc(102.04,68.83) 102.23,68.9 102.31,68.9 arc(102.37,68.88) 102.39,68.82 102.39,68.51
NF2_FF6_RECV1: length 68.7
  TOP w0.165: 51,47.52 50.57,47.52 50.54,47.49 50.19,47.49 50.16,47.52 49.98,47.52 49.1,48.4 U40.A18 ; U77.Y49 103.39,70.51
  SIG3 w0.083: 103.39,70.51 103.39,70.82 arc(103.37,70.88) 103.31,70.9 103.23,70.9 arc(103.04,70.83) 102.96,70.64 102.96,67.08 arc(102.83,66.42) 102.45,65.86 84.96,48.36 arc(84.33,47.94) 83.59,47.8 52.17,47.8 arc(52.14,47.79) 52.11,47.77 52.11,47.76 arc(52.08,47.75) 52.05,47.74 52,47.74 51.88,47.62 arc(51.77,47.54) 51.64,47.52 51,47.52
NF2_FF6_RECV2: length 71.5
  TOP w0.165: U40.B15 45.65,49.9 45.56,49.81 45.25,49.81 ; U77.W51 104.39,68.51